# Altium PCB sla2216.PcbDoc (part 2 of 3)
Units mm, origin at the board's own origin, x right, y up, seen from the top; angles counter-clockwise.
Board outline 100 x 43.96 mm, 4 copper layers (Top Copper, Ground, Power, Bottom Copper), stack 1.57 mm thick; 249 components, 170 nets, 887 pads, 884 vias.
Unrouted connection lines stored in the file: 6.
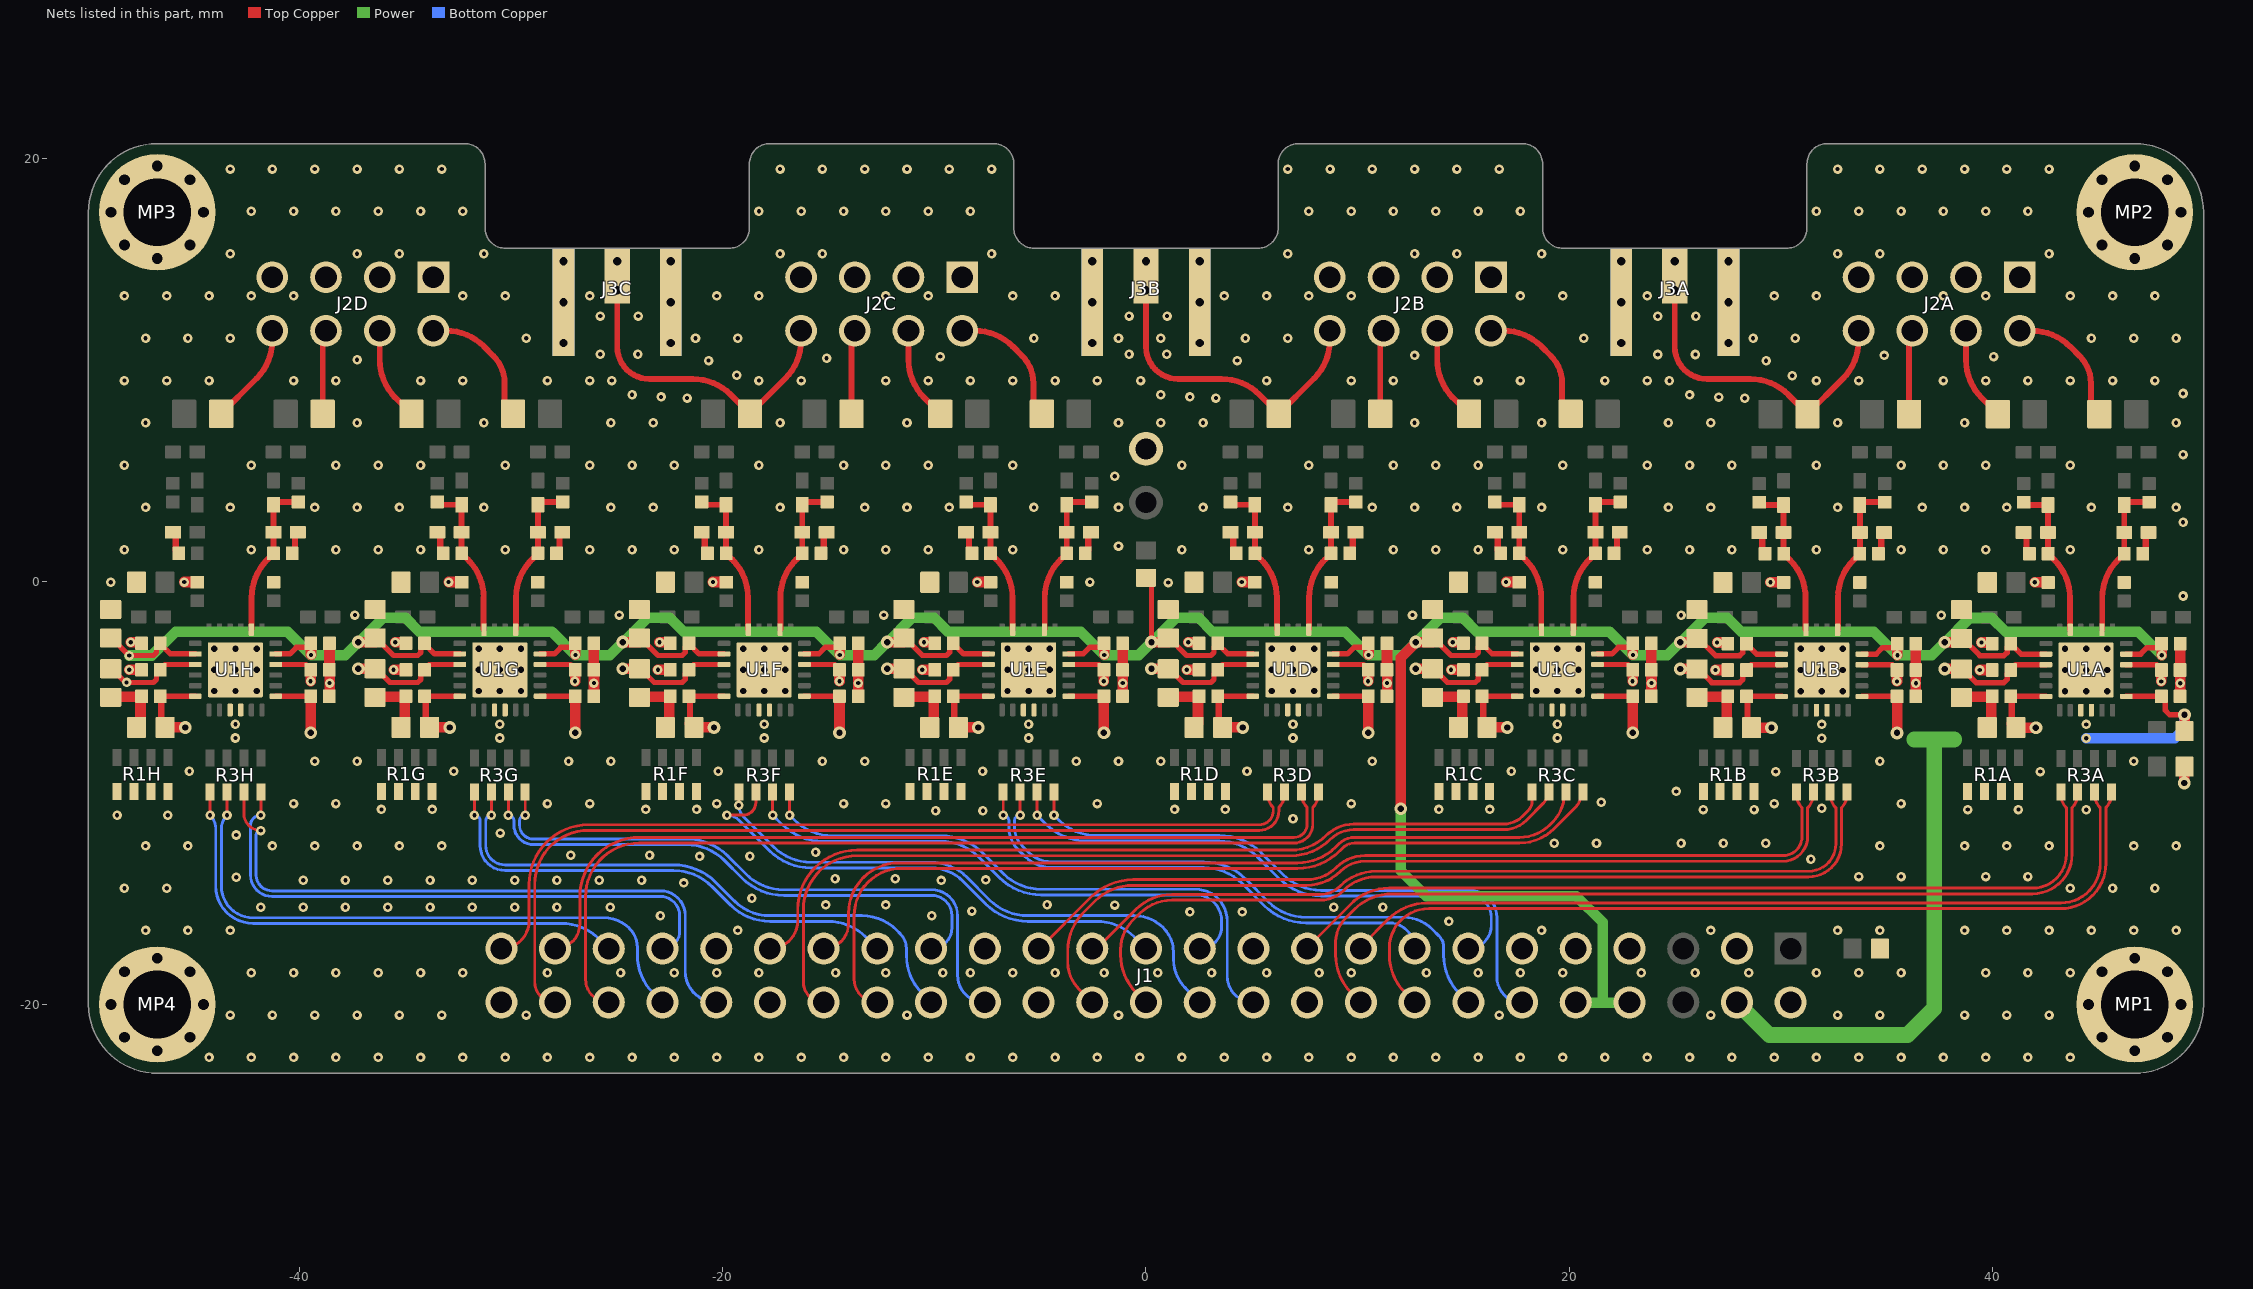
[diagram p4: the nets of this part, all layers, seen from the top]

## Via types
v1: diameter 0.45, hole 0.2, Top Copper to Bottom Copper, tented both sides, 756 vias
v2: diameter 0.5, hole 0.3, Top Copper to Bottom Copper, 72 vias
v3: diameter 0.6, hole 0.3, Top Copper to Bottom Copper, tented both sides, 32 vias
v4: diameter 0.8, hole 0.4, Top Copper to Bottom Copper, tented both sides, 24 vias

## Nets (pads, with @x,y where several pads share a name; then routed paths per layer and width w, separated by ;. In a path a pad name is that pad's centre, name@x,y a point inside that pad or via, vN(x,y) a via of type N, cw(c..) or ccw(c..) an arc to the next point about the centre after c; other vN are vias at no path point)
4V: C4A.2 C4B.2 C4C.2 C4D.2 C4E.2 C4F.2 C4G.2 C4H.2 C12A.2 C12B.2 C12C.2 C12D.2 C12E.2 C12F.2 C12G.2 C12H.2 C16A.2 C16B.2 C16C.2 C16D.2 C16E.2 C16F.2 C16G.2 C16H.2 J1.8 J1.10 R14.2 U1A.5 U1A.14 U1B.5 U1B.14 U1C.5 U1C.14 U1D.5 U1D.14 U1E.5 U1E.14 U1F.5 U1F.14 U1G.5 U1G.14 U1H.5 U1H.14 | length 202.7
  Top Copper w0.254: C16H.2@-48.95,-2.675 -48.9,-2.675 v1(-48.075,-3.5) -46.932,-3.5 -46.783,-3.351 -46.783,-3.098 C12H.2@-46.61,-2.925 ; C12H.2@-46.61,-2.945 -46.13,-3.425 U1H.14@-44.95,-3.425 ; U1H.5@-41.15,-3.425 -41.148,-3.423 -40.473,-3.423 -40.168,-3.118 -39.658,-3.118 -39.485,-2.945 C4H.2@-39.485,-2.925 C4H.2@-39.48,-2.93 ; v1@-39.48,-3.47 v1(-39.475,-3.475) ; C16G.2@-36.45,-2.675 -36.4,-2.675 -35.575,-3.5 -34.432,-3.5 -34.283,-3.351 -34.283,-3.098 C12G.2@-34.11,-2.925 ; C12G.2@-34.11,-2.945 -33.63,-3.425 U1G.14@-32.45,-3.425 ; U1G.5@-28.65,-3.425 -28.648,-3.423 -27.973,-3.423 -27.668,-3.118 -27.158,-3.118 -26.985,-2.945 C4G.2@-26.985,-2.925 C4G.2@-26.98,-2.93 ; v1@-26.98,-3.47 v1(-26.975,-3.475) ; C16F.2@-23.95,-2.675 -23.9,-2.675 -23.075,-3.5 -21.932,-3.5 -21.783,-3.351 -21.783,-3.098 C12F.2@-21.61,-2.925 ; C12F.2@-21.61,-2.945 -21.13,-3.425 U1F.14@-19.95,-3.425 ; U1F.5@-16.15,-3.425 -16.148,-3.423 -15.473,-3.423 -15.168,-3.118 -14.658,-3.118 -14.485,-2.945 C4F.2@-14.485,-2.925 C4F.2@-14.48,-2.93 ; v1@-14.48,-3.47 v1(-14.475,-3.475) ; C16E.2@-11.45,-2.675 -11.4,-2.675 -10.575,-3.5 -9.432,-3.5 -9.283,-3.351 -9.283,-3.098 C12E.2@-9.11,-2.925 ; C12E.2@-9.11,-2.945 -8.63,-3.425 U1E.14@-7.45,-3.425 ; U1E.5@-3.65,-3.425 U1E.5@-3.65,-3.425 -2.973,-3.423 -2.668,-3.118 -2.158,-3.118 -1.985,-2.945 C4E.2@-1.985,-2.925 C4E.2@-1.98,-2.93 ; v1@-1.98,-3.47 v1(-1.975,-3.475) ; R14.2@0.2,0.1 0.26,0.04 v3(0.26,-2.865) ; C16D.2@1.05,-2.675 1.1,-2.675 1.925,-3.5 3.068,-3.5 3.217,-3.351 3.217,-3.098 C12D.2@3.39,-2.925 ; C12D.2@3.39,-2.945 3.87,-3.425 U1D.14@5.05,-3.425 ; U1D.5@8.85,-3.425 8.852,-3.423 9.527,-3.423 9.832,-3.118 10.342,-3.118 10.515,-2.945 C4D.2@10.515,-2.925 C4D.2@10.52,-2.93 ; v1@10.52,-3.47 v1(10.525,-3.475) ; C16C.2@13.55,-2.675 13.6,-2.675 14.425,-3.5 15.568,-3.5 15.717,-3.351 15.717,-3.098 C12C.2@15.89,-2.925 ; C12C.2@15.89,-2.945 16.37,-3.425 U1C.14@17.55,-3.425 ; U1C.5@21.35,-3.425 21.352,-3.423 22.027,-3.423 22.332,-3.118 22.842,-3.118 23.015,-2.945 C4C.2@23.015,-2.925 C4C.2@23.02,-2.93 ; v1@23.02,-3.47 v1(23.025,-3.475) ; C16B.2@26.05,-2.685 26.1,-2.685 26.925,-3.51 28.068,-3.51 28.217,-3.361 28.217,-3.108 C12B.2@28.39,-2.935 ; C12B.2@28.39,-2.955 28.87,-3.435 U1B.14@30.05,-3.435 ; U1B.5@33.85,-3.435 33.852,-3.433 34.527,-3.433 34.832,-3.128 35.342,-3.128 35.515,-2.955 C4B.2@35.515,-2.935 C4B.2@35.52,-2.94 ; v1@35.52,-3.48 v1(35.525,-3.485) ; C16A.2@38.55,-2.685 38.6,-2.685 39.425,-3.51 40.568,-3.51 40.717,-3.361 40.717,-3.108 C12A.2@40.89,-2.935 ; C12A.2@40.89,-2.955 41.37,-3.435 U1A.14@42.55,-3.435 ; U1A.5@46.35,-3.435 46.352,-3.433 47.027,-3.433 47.332,-3.128 47.842,-3.128 48.015,-2.955 C4A.2@48.015,-2.935 C4A.2@48.02,-2.94 ; v1@48.02,-3.48 v1(48.025,-3.485)
  Top Copper w0.5: v1@-39.48,-3.47 C4H.2@-39.48,-2.93 ; v3(-37.24,-2.865) C16G.2@-36.45,-2.865 ; v1@-26.98,-3.47 C4G.2@-26.98,-2.93 ; v3(-24.74,-2.865) C16F.2@-23.95,-2.865 ; v1@-14.48,-3.47 C4F.2@-14.48,-2.93 ; v3(-12.24,-2.865) C16E.2@-11.45,-2.865 ; v1@-1.98,-3.47 C4E.2@-1.98,-2.93 ; v3(0.26,-2.865) C16D.2@1.05,-2.865 ; v1@10.52,-3.47 C4D.2@10.52,-2.93 ; v3(12.05,-10.747) 12.05,-3.602 12.76,-2.892 v3(12.76,-2.865) C16C.2@13.55,-2.865 ; v1@23.02,-3.47 C4C.2@23.02,-2.93 ; v3(25.26,-2.875) C16B.2@26.05,-2.875 ; v1@35.52,-3.48 C4B.2@35.52,-2.94 ; v3(37.76,-2.875) C16A.2@38.55,-2.875 ; v1@48.02,-3.48 C4A.2@48.02,-2.94
  Power w0.5: v1(-48.075,-3.5) -47.003,-3.5 -45.875,-2.372 -40.587,-2.372 -39.478,-3.482 -37.852,-3.482 -37.243,-2.872 -37.216,-2.872 -36.066,-1.722 -35.012,-1.722 -34.362,-2.372 -28.087,-2.372 -26.978,-3.482 -25.352,-3.482 -24.743,-2.872 -24.716,-2.872 -23.566,-1.722 -22.512,-1.722 -21.862,-2.372 -15.587,-2.372 -14.478,-3.482 -12.852,-3.482 -12.243,-2.872 -12.216,-2.872 -11.066,-1.722 -10.012,-1.722 -9.362,-2.372 -3.087,-2.372 -1.978,-3.482 -0.352,-3.482 0.257,-2.872 0.284,-2.872 1.434,-1.722 2.488,-1.722 3.138,-2.372 9.413,-2.372 10.522,-3.482 12.148,-3.482 12.757,-2.872 12.784,-2.872 13.934,-1.722 14.988,-1.722 15.638,-2.372 21.913,-2.372 23.022,-3.482 24.648,-3.482 25.257,-2.872 25.284,-2.872 26.434,-1.722 27.488,-1.722 28.138,-2.372 34.413,-2.372 v1@35.522,-3.482 ; v3(12.05,-10.747) 12.05,-13.675 13.25,-14.875 20.35,-14.875 21.59,-16.115 21.59,-19.91 ; J1.10@20.32,-19.91 21.59,-19.91 ; J1.8@22.86,-19.91 21.59,-19.91 ; v1(35.525,-3.485) 37.15,-3.485 v3(37.76,-2.875) 37.787,-2.875 38.937,-1.725 39.99,-1.725 40.64,-2.375 46.915,-2.375 v1(48.025,-3.485)
+2V5: C1A.2 C1B.2 C1C.2 C1D.2 C1E.2 C1F.2 C1G.2 C1H.2 C7A.1 C7B.1 C7C.1 C7D.1 C7E.1 C7F.1 C7G.1 C7H.1 C8A.2 C8B.2 C8C.2 C8D.2 C8E.2 C8F.2 C8G.2 C8H.2 J1.7 R15.1 U1A.1 U1A.18 U1A.21 U1A.22 U1B.1 U1B.18 U1B.21 U1B.22 U1C.1 U1C.18 U1C.21 U1C.22 U1D.1 U1D.18 U1D.21 U1D.22 U1E.1 U1E.18 U1E.21 U1E.22 U1F.1 U1F.18 U1F.21 U1F.22 U1G.1 U1G.18 U1G.21 U1G.22 U1H.1 U1H.18 U1H.21 U1H.22 | length 66.8
  Top Copper w0.254: C8H.2@-46.61,-5.425 U1H.18@-44.95,-5.425 ; U1H.1@-41.15,-5.425 C1H.2@-39.49,-5.425 ; C8G.2@-34.11,-5.425 U1G.18@-32.45,-5.425 ; U1G.1@-28.65,-5.425 C1G.2@-26.99,-5.425 ; C8F.2@-21.61,-5.425 U1F.18@-19.95,-5.425 ; U1F.1@-16.15,-5.425 C1F.2@-14.49,-5.425 ; C8E.2@-9.11,-5.425 U1E.18@-7.45,-5.425 ; U1E.1@-3.65,-5.425 C1E.2@-1.99,-5.425 ; C8D.2@3.39,-5.425 U1D.18@5.05,-5.425 ; U1D.1@8.85,-5.425 C1D.2@10.51,-5.425 ; C8C.2@15.89,-5.425 U1C.18@17.55,-5.425 ; U1C.1@21.35,-5.425 C1C.2@23.01,-5.425 ; C8B.2@28.39,-5.435 U1B.18@30.05,-5.435 ; U1B.1@33.85,-5.435 C1B.2@35.51,-5.435 ; C8A.2@40.89,-5.435 U1A.18@42.55,-5.435 ; U1A.1@46.35,-5.435 C1A.2@48.01,-5.435 48.183,-5.608 48.183,-6.083 48.4,-6.3 v3(49.1,-6.3)
  Top Copper w0.3: C8H.2@-46.61,-5.425 -46.56,-5.475 C7H.1@-46.56,-6.715 ; C8G.2@-34.11,-5.425 -34.06,-5.475 C7G.1@-34.06,-6.715 ; C8F.2@-21.61,-5.425 -21.56,-5.475 C7F.1@-21.56,-6.715 ; C8E.2@-9.11,-5.425 -9.06,-5.475 C7E.1@-9.06,-6.715 ; C8D.2@3.39,-5.425 3.44,-5.475 C7D.1@3.44,-6.715 ; C8C.2@15.89,-5.425 15.94,-5.475 C7C.1@15.94,-6.715 ; C8B.2@28.39,-5.435 28.44,-5.485 C7B.1@28.44,-6.725 ; C8A.2@40.89,-5.435 40.94,-5.485 C7A.1@40.94,-6.725
  Top Copper w0.5: C7H.1@-46.56,-6.715 C7H.1@-46.375,-6.9 v3(-45.425,-6.9) ; v3(-39.49,-7.15) C1H.2@-39.49,-5.425 ; C7G.1@-34.06,-6.715 C7G.1@-33.875,-6.9 v3(-32.925,-6.9) ; v3(-26.99,-7.15) C1G.2@-26.99,-5.425 ; C7F.1@-21.56,-6.715 C7F.1@-21.375,-6.9 v3(-20.425,-6.9) ; v3(-14.49,-7.15) C1F.2@-14.49,-5.425 ; C7E.1@-9.06,-6.715 C7E.1@-8.875,-6.9 v3(-7.925,-6.9) ; v3(-1.99,-7.15) C1E.2@-1.99,-5.425 ; C7D.1@3.44,-6.715 C7D.1@3.625,-6.9 v3(4.575,-6.9) ; v3(10.51,-7.15) C1D.2@10.51,-5.425 ; C7C.1@15.94,-6.715 C7C.1@16.125,-6.9 v3(17.075,-6.9) ; v3(23.01,-7.15) C1C.2@23.01,-5.425 ; C7B.1@28.44,-6.725 C7B.1@28.625,-6.91 v3(29.575,-6.91) ; v3(35.51,-7.16) C1B.2@35.51,-5.435 ; C7A.1@40.94,-6.725 C7A.1@41.125,-6.91 v3(42.075,-6.91) ; v3(49.1,-6.3) 49.102,-6.302 49.102,-7.073 R15.1@49.105,-7.075
  Bottom Copper w0.5: v1(44.45,-7.41) 48.64,-7.41 49.081,-6.969 49.081,-6.319 v3(49.1,-6.3)
  other v1: 31.95,-7.41 -43.05,-7.4 -30.55,-7.4 -18.05,-7.4 -5.55,-7.4 6.95,-7.4 19.45,-7.4 -43.05,-6.75 -30.55,-6.75 -18.05,-6.75 -5.55,-6.75 6.95,-6.75 19.45,-6.75 31.95,-6.76 44.45,-6.76
-2V5: C5A.2 C5B.2 C5C.2 C5D.2 C5E.2 C5F.2 C5G.2 C5H.2 C13A.2 C13B.2 C13C.2 C13D.2 C13E.2 C13F.2 C13G.2 C13H.2 C15A.1 C15B.1 C15C.1 C15D.1 C15E.1 C15F.1 C15G.1 C15H.1 J1.4 R16.1 U1A.4 U1A.15 U1A.25 U1B.4 U1B.15 U1B.25 U1C.4 U1C.15 U1C.25 U1D.4 U1D.15 U1D.25 U1E.4 U1E.15 U1E.25 U1F.4 U1F.15 U1F.25 U1G.4 U1G.15 U1G.25 U1H.4 U1H.15 U1H.25 | length 88.2
  Top Copper w0.254: C15H.1@-48.95,-4.125 -48.9,-4.125 -48.25,-4.775 v1(-48.2,-4.775) -46.932,-4.775 -46.783,-4.626 -46.783,-4.348 C13H.2@-46.61,-4.175 ; C13H.2@-46.61,-4.155 -46.38,-3.925 U1H.15@-44.95,-3.925 ; U1H.4@-41.15,-3.925 -39.72,-3.925 -39.49,-4.155 C5H.2@-39.49,-4.175 ; v1(-39.498,-4.713) v1@-39.493,-4.708 ; C5H.2@-39.493,-4.177 C5H.2@-39.49,-4.175 ; C5H.2@-39.488,-4.173 C5H.2@-39.49,-4.175 ; C15G.1@-36.45,-4.125 -36.4,-4.125 -35.75,-4.775 -34.432,-4.775 -34.283,-4.626 -34.283,-4.348 C13G.2@-34.11,-4.175 ; C13G.2@-34.11,-4.155 -33.88,-3.925 U1G.15@-32.45,-3.925 ; U1G.4@-28.65,-3.925 -27.22,-3.925 -26.99,-4.155 C5G.2@-26.99,-4.175 ; v1(-26.997,-4.713) v1@-26.993,-4.708 ; C5G.2@-26.993,-4.177 C5G.2@-26.99,-4.175 ; C5G.2@-26.988,-4.173 C5G.2@-26.99,-4.175 ; C15F.1@-23.95,-4.125 -23.9,-4.125 -23.25,-4.775 -21.932,-4.775 -21.783,-4.626 -21.783,-4.348 C13F.2@-21.61,-4.175 ; C13F.2@-21.61,-4.155 -21.38,-3.925 U1F.15@-19.95,-3.925 ; U1F.4@-16.15,-3.925 -14.72,-3.925 -14.49,-4.155 C5F.2@-14.49,-4.175 ; v1(-14.497,-4.713) v1@-14.493,-4.708 ; C5F.2@-14.493,-4.177 C5F.2@-14.49,-4.175 ; C5F.2@-14.488,-4.173 C5F.2@-14.49,-4.175 ; C15E.1@-11.45,-4.125 -11.4,-4.125 -10.75,-4.775 -9.432,-4.775 -9.283,-4.626 -9.283,-4.348 C13E.2@-9.11,-4.175 ; C13E.2@-9.11,-4.155 -8.88,-3.925 U1E.15@-7.45,-3.925 ; U1E.4@-3.65,-3.925 -2.22,-3.925 -1.99,-4.155 C5E.2@-1.99,-4.175 ; v1(-1.997,-4.713) v1@-1.993,-4.708 ; C5E.2@-1.993,-4.177 C5E.2@-1.99,-4.175 ; C5E.2@-1.988,-4.173 C5E.2@-1.99,-4.175 ; C15D.1@1.05,-4.125 1.1,-4.125 1.75,-4.775 3.068,-4.775 3.217,-4.626 3.217,-4.348 C13D.2@3.39,-4.175 ; C13D.2@3.39,-4.155 3.62,-3.925 U1D.15@5.05,-3.925 ; U1D.4@8.85,-3.925 10.28,-3.925 10.51,-4.155 C5D.2@10.51,-4.175 ; v1(10.503,-4.713) v1@10.507,-4.708 ; C5D.2@10.507,-4.177 C5D.2@10.51,-4.175 ; C5D.2@10.512,-4.173 C5D.2@10.51,-4.175 ; C15C.1@13.55,-4.125 13.6,-4.125 14.25,-4.775 15.568,-4.775 15.717,-4.626 15.717,-4.348 C13C.2@15.89,-4.175 ; C13C.2@15.89,-4.155 16.12,-3.925 U1C.15@17.55,-3.925 ; U1C.4@21.35,-3.925 22.78,-3.925 23.01,-4.155 C5C.2@23.01,-4.175 ; v1(23.003,-4.713) v1@23.008,-4.708 ; C5C.2@23.008,-4.177 C5C.2@23.01,-4.175 ; C5C.2@23.012,-4.173 C5C.2@23.01,-4.175 ; C15B.1@26.05,-4.135 26.1,-4.135 26.75,-4.785 28.068,-4.785 28.217,-4.636 28.217,-4.358 C13B.2@28.39,-4.185 ; C13B.2@28.39,-4.165 28.62,-3.935 U1B.15@30.05,-3.935 ; U1B.4@33.85,-3.935 35.28,-3.935 35.51,-4.165 C5B.2@35.51,-4.185 ; v1(35.502,-4.723) v1@35.507,-4.718 ; C5B.2@35.507,-4.187 C5B.2@35.51,-4.185 ; C5B.2@35.512,-4.182 C5B.2@35.51,-4.185 ; C15A.1@38.55,-4.135 38.6,-4.135 39.25,-4.785 40.568,-4.785 40.717,-4.636 40.717,-4.358 C13A.2@40.89,-4.185 ; C13A.2@40.89,-4.165 41.12,-3.935 U1A.15@42.55,-3.935 ; U1A.4@46.35,-3.935 47.78,-3.935 48.01,-4.165 C5A.2@48.01,-4.185 C5A.2@48.005,-4.19 ; v1(48,-4.725) v1@48.005,-4.72
  Top Copper w0.5: v1@-39.493,-4.708 C5H.2@-39.493,-4.177 ; v3(-37.24,-4.125) C15G.1@-36.45,-4.125 ; v1@-26.993,-4.708 C5G.2@-26.993,-4.177 ; v3(-24.74,-4.125) C15F.1@-23.95,-4.125 ; v1@-14.493,-4.708 C5F.2@-14.493,-4.177 ; v3(-12.24,-4.125) C15E.1@-11.45,-4.125 ; v1@-1.993,-4.708 C5E.2@-1.993,-4.177 ; v3(0.26,-4.125) C15D.1@1.05,-4.125 ; v1@10.507,-4.708 C5D.2@10.507,-4.177 ; v3(12.76,-4.125) C15C.1@13.55,-4.125 ; v1@23.008,-4.708 C5C.2@23.008,-4.177 ; v3(25.26,-4.135) C15B.1@26.05,-4.135 ; v1@35.507,-4.718 C5B.2@35.507,-4.187 ; v3(37.76,-4.135) C15A.1@38.55,-4.135 ; v1@48.005,-4.72 C5A.2@48.005,-4.19 ; v3(49.095,-9.525) 49.097,-9.523 49.097,-8.752 R16.1@49.1,-8.75
  Power w0.75: J1.4@27.94,-19.91 29.48,-21.45 36,-21.45 37.267,-20.183 37.267,-7.475 ; 36.323,-7.475 37.267,-7.475 ; 38.212,-7.475 37.267,-7.475
  other v2: -44.05,-5.175 -43.05,-5.175 -42.05,-5.175 -31.55,-5.175 -30.55,-5.175 -29.55,-5.175 -19.05,-5.175 -18.05,-5.175 -17.05,-5.175 -6.55,-5.175 -5.55,-5.175 -4.55,-5.175 5.95,-5.175 6.95,-5.175 7.95,-5.175 18.45,-5.175 19.45,-5.175 20.45,-5.175 30.95,-5.185 31.95,-5.185 32.95,-5.185 43.45,-5.185 44.45,-5.185 45.45,-5.185 30.95,-4.185 31.95,-4.185 32.95,-4.185 43.45,-4.185 44.45,-4.185 45.45,-4.185 -44.05,-4.175 -43.05,-4.175 -42.05,-4.175 -31.55,-4.175 -30.55,-4.175 -29.55,-4.175 -19.05,-4.175 -18.05,-4.175 -17.05,-4.175 -6.55,-4.175 -5.55,-4.175 -4.55,-4.175 5.95,-4.175 6.95,-4.175 7.95,-4.175 18.45,-4.175 19.45,-4.175 20.45,-4.175 -44.05,-3.175 -43.05,-3.175 -42.05,-3.175 -31.55,-3.175 -30.55,-3.175 -29.55,-3.175 -19.05,-3.175 -18.05,-3.175 -17.05,-3.175 -6.55,-3.175 -5.55,-3.175 -4.55,-3.175 5.95,-3.175 6.95,-3.175 7.95,-3.175 18.45,-3.175 19.45,-3.175 20.45,-3.175 30.95,-3.185 31.95,-3.185 32.95,-3.185 43.45,-3.185 44.45,-3.185 45.45,-3.185
D0_N: J1.16 R3A.8 | length 42.6
  Top Copper w0.139: J1.16@12.7,-19.9 12.252,-19.452 cw(c14.048,-17.656) 11.508,-17.656 11.508,-17.33 cw(c13.372,-17.33) 13.372,-15.466 43.25,-15.466 ccw(c43.25,-13.333) 45.383,-13.333 45.383,-10.696 ccw(c44.738,-10.051) 45.65,-10.051 R3A.8@45.65,-9.96
D0_P: J1.17 R3A.7 | length 40.3
  Top Copper w0.139: J1.17@10.16,-17.36 cw(c10.405,-17.36) 10.232,-17.186 11.455,-15.964 cw(c13.298,-17.807) 13.298,-15.2 43.25,-15.2 ccw(c43.25,-13.333) 45.117,-13.333 45.117,-10.696 cw(c45.762,-10.051) 44.85,-10.051 R3A.7@44.85,-9.96
D1_N: J1.19 R3A.5 | length 40.9
  Top Copper w0.139: J1.19@7.62,-17.36 cw(c7.739,-17.36) 7.655,-17.276 9.687,-15.244 cw(c11.483,-17.04) 11.483,-14.5 41.917,-14.5 ccw(c41.917,-12.9) 43.517,-12.9 43.517,-10.696 cw(c44.162,-10.051) 43.25,-10.051 R3A.5@43.25,-9.96
D1_P: J1.18 R3A.6 | length 43.3
  Top Copper w0.139: J1.18@10.16,-19.9 9.712,-19.452 cw(c11.508,-17.656) 8.968,-17.656 8.968,-17.04 cw(c10.543,-17.04) 9.429,-15.927 9.847,-15.51 cw(c11.643,-17.306) 11.643,-14.766 41.917,-14.766 ccw(c41.917,-12.9) 43.783,-12.9 43.783,-10.696 ccw(c43.138,-10.051) 44.05,-10.051 R3A.6@44.05,-9.96
D2_N: J1.26 R3B.8 | length 42
  Top Copper w0.139: J1.26@0,-19.9 -0.456,-19.444 cw(c1.34,-17.648) -1.2,-17.648 -1.2,-17.4 cw(c0.731,-17.4) -0.634,-16.034 -0.3,-15.7 cw(c1.231,-17.231) 1.231,-15.066 8.229,-15.066 ccw(c8.229,-13.476) 9.354,-14.6 cw(c10.885,-16.131) 10.885,-13.966 31.321,-13.966 ccw(c31.321,-12.404) 32.883,-12.404 32.883,-10.696 ccw(c32.238,-10.051) 33.15,-10.051 R3B.8@33.15,-9.96 R3B.8@33.081,-10.029
D2_P: J1.27 R3B.7 | length 39.6
  Top Copper w0.139: J1.27@-2.54,-17.36 ccw(c-2.54,-16.867) -2.191,-17.216 -0.488,-15.512 cw(c1.231,-17.231) 1.231,-14.8 8.229,-14.8 ccw(c8.229,-13.476) 9.166,-14.412 cw(c10.885,-16.131) 10.885,-13.7 31.321,-13.7 ccw(c31.321,-12.404) 32.617,-12.404 32.617,-10.696 cw(c33.262,-10.051) 32.35,-10.051 R3B.7@32.35,-9.96
D3_N: J1.29 R3B.5 | length 40.3
  Top Copper w0.139: J1.29@-5.08,-17.36 -5.036,-17.36 -2.597,-14.922 cw(c-0.614,-16.906) -0.614,-14.1 7.593,-14.1 ccw(c7.593,-12.093) 9.012,-13.512 cw(c10.345,-14.845) 10.345,-12.96 30.122,-12.96 ccw(c30.122,-12.065) 31.017,-12.065 31.017,-10.696 cw(c31.662,-10.051) 30.75,-10.051 R3B.5@30.75,-9.96
D3_P: J1.28 R3B.6 | length 42.7
  Top Copper w0.139: -3.178,-19.263 cw(c-1.913,-18) -3.369,-19.035 cw(c-1.913,-18) -3.7,-18 -3.7,-17.452 cw(c-1.16,-17.452) -3.369,-16.199 cw(c-1.16,-17.452) -2.956,-15.656 -2.41,-15.11 cw(c-0.614,-16.906) -0.614,-14.366 7.593,-14.366 ccw(c7.593,-12.093) 9.2,-13.7 cw(c10.345,-14.845) 10.345,-13.226 30.122,-13.226 ccw(c30.122,-12.065) 31.283,-12.065 31.283,-10.696 ccw(c30.638,-10.051) 31.55,-10.051 R3B.6@31.55,-9.96 ; -3.177,-19.263 J1.28@-2.54,-19.9
D4_N: J1.36 R3C.8 | length 41.9
  Top Copper w0.139: J1.36@-12.7,-19.9 cw(c-12.7,-18.8) -13.8,-18.8 -13.8,-15.8 cw(c-11.566,-15.8) -11.566,-13.566 7.172,-13.566 ccw(c7.172,-10.76) 9.156,-12.744 9.3,-12.6 cw(c9.866,-13.166) 9.866,-12.366 17.651,-12.366 ccw(c17.651,-10.051) 19.288,-11.688 20.315,-10.661 ccw(c19.674,-10.019) 20.581,-10.019 R3C.8@20.65,-9.95
D4_P: J1.37 R3C.7 | length 39.2
  Top Copper w0.139: J1.37@-15.24,-17.36 ccw(c-15.24,-16.186) -14.066,-16.186 -14.066,-15.69 cw(c-11.676,-15.69) -11.676,-13.3 7.172,-13.3 ccw(c7.172,-10.76) 8.968,-12.556 9.112,-12.412 cw(c9.866,-13.166) 9.866,-12.1 17.651,-12.1 ccw(c17.651,-10.051) 19.1,-11.5 19.215,-11.385 ccw(c17.849,-10.019) 19.781,-10.019 R3C.7@19.85,-9.95
D5_N: J1.39 R3C.5 | length 40.2
  Top Copper w0.139: J1.39@-17.78,-17.36 ccw(c-17.78,-16.046) -16.466,-16.046 -16.466,-15.506 cw(c-13.66,-15.506) -13.66,-12.7 6.852,-12.7 ccw(c6.852,-10.352) 8.512,-12.012 cw(c9.821,-13.321) 9.821,-11.47 16.907,-11.47 ccw(c16.907,-10.207) 17.8,-11.1 18.087,-10.813 ccw(c17.693,-10.419) 18.25,-10.419 R3C.5@18.25,-9.95
D5_P: J1.38 R3C.6 | length 42.8
  Top Copper w0.139: J1.38@-15.24,-19.9 cw(c-15.24,-18.94) -16.2,-18.94 -16.2,-15.506 cw(c-13.66,-15.506) -13.66,-12.966 6.852,-12.966 ccw(c6.852,-10.352) 8.7,-12.2 cw(c9.821,-13.321) 9.821,-11.736 16.907,-11.736 ccw(c16.907,-10.207) 17.988,-11.288 18.786,-10.49 ccw(c18.315,-10.019) 18.981,-10.019 R3C.6@19.05,-9.95
D6_N: J1.46 R3D.8 | length 43.6
  Top Copper w0.139: J1.46@-25.4,-19.9 cw(c-25.4,-18.8) -26.5,-18.8 -26.5,-14.906 cw(c-23.96,-14.906) -23.96,-12.366 7,-12.366 ccw(c7,-11.483) 7.883,-11.483 7.883,-10.687 ccw(c7.238,-10.041) 8.15,-10.041 R3D.8@8.15,-9.95
D6_P: J1.47 R3D.7 | length 41.1
  Top Copper w0.139: J1.47@-27.94,-17.36 ccw(c-27.94,-16.186) -26.766,-16.186 -26.766,-14.906 cw(c-23.96,-14.906) -23.96,-12.1 7,-12.1 ccw(c7,-11.483) 7.617,-11.483 7.617,-10.687 cw(c8.262,-10.041) 7.35,-10.041 R3D.7@7.35,-9.95
D7_N: J1.49 R3D.5 | length 41.9
  Top Copper w0.139: J1.49@-30.48,-17.36 ccw(c-30.48,-16.046) -29.166,-16.046 -29.166,-14.306 cw(c-26.36,-14.306) -26.36,-11.5 5.354,-11.5 ccw(c5.354,-10.837) 6.017,-10.837 6.017,-10.687 cw(c6.662,-10.041) 5.75,-10.041 R3D.5@5.75,-9.95
D7_P: J1.48 R3D.6 | length 44.3
  Top Copper w0.139: J1.48@-27.94,-19.9 cw(c-27.94,-18.94) -28.9,-18.94 -28.9,-14.306 cw(c-26.36,-14.306) -26.36,-11.766 5.354,-11.766 ccw(c5.354,-10.837) 6.283,-10.837 6.283,-10.687 ccw(c5.638,-10.041) 6.55,-10.041 R3D.6@6.55,-9.95
D8_N: J1.12 R3E.8 | length 28.6
  Top Copper w0.139: v1(-4.35,-11.05) R3E.8@-4.35,-9.95
  Bottom Copper w0.139: v1(-4.35,-11.05) -4.128,-11.272 ccw(c-2.346,-9.491) -2.346,-12.01 3.469,-12.01 cw(c3.469,-14.816) 5.453,-12.832 6.477,-13.856 ccw(c8.273,-12.06) 8.273,-14.6 15.316,-14.6 cw(c15.316,-15.875) 16.591,-15.875 16.591,-18.711 ccw(c17.78,-18.711) J1.12@17.78,-19.9
D8_P: J1.13 R3E.7 | length 26.5
  Top Copper w0.139: v1(-5.15,-11.05) R3E.7@-5.15,-9.95
  Bottom Copper w0.139: v1(-5.15,-11.05) -4.746,-11.454 ccw(c-2.762,-9.47) -2.762,-12.276 3.469,-12.276 cw(c3.469,-14.816) 5.265,-13.02 6.289,-14.044 ccw(c8.273,-12.06) 8.273,-14.866 15.316,-14.866 cw(c15.316,-15.875) 16.325,-15.875 16.325,-16.275 cw(c15.24,-16.275) J1.13@15.24,-17.36